# Altium PCB CC_V1.4.PcbDoc (part 1 of 8) (continued)
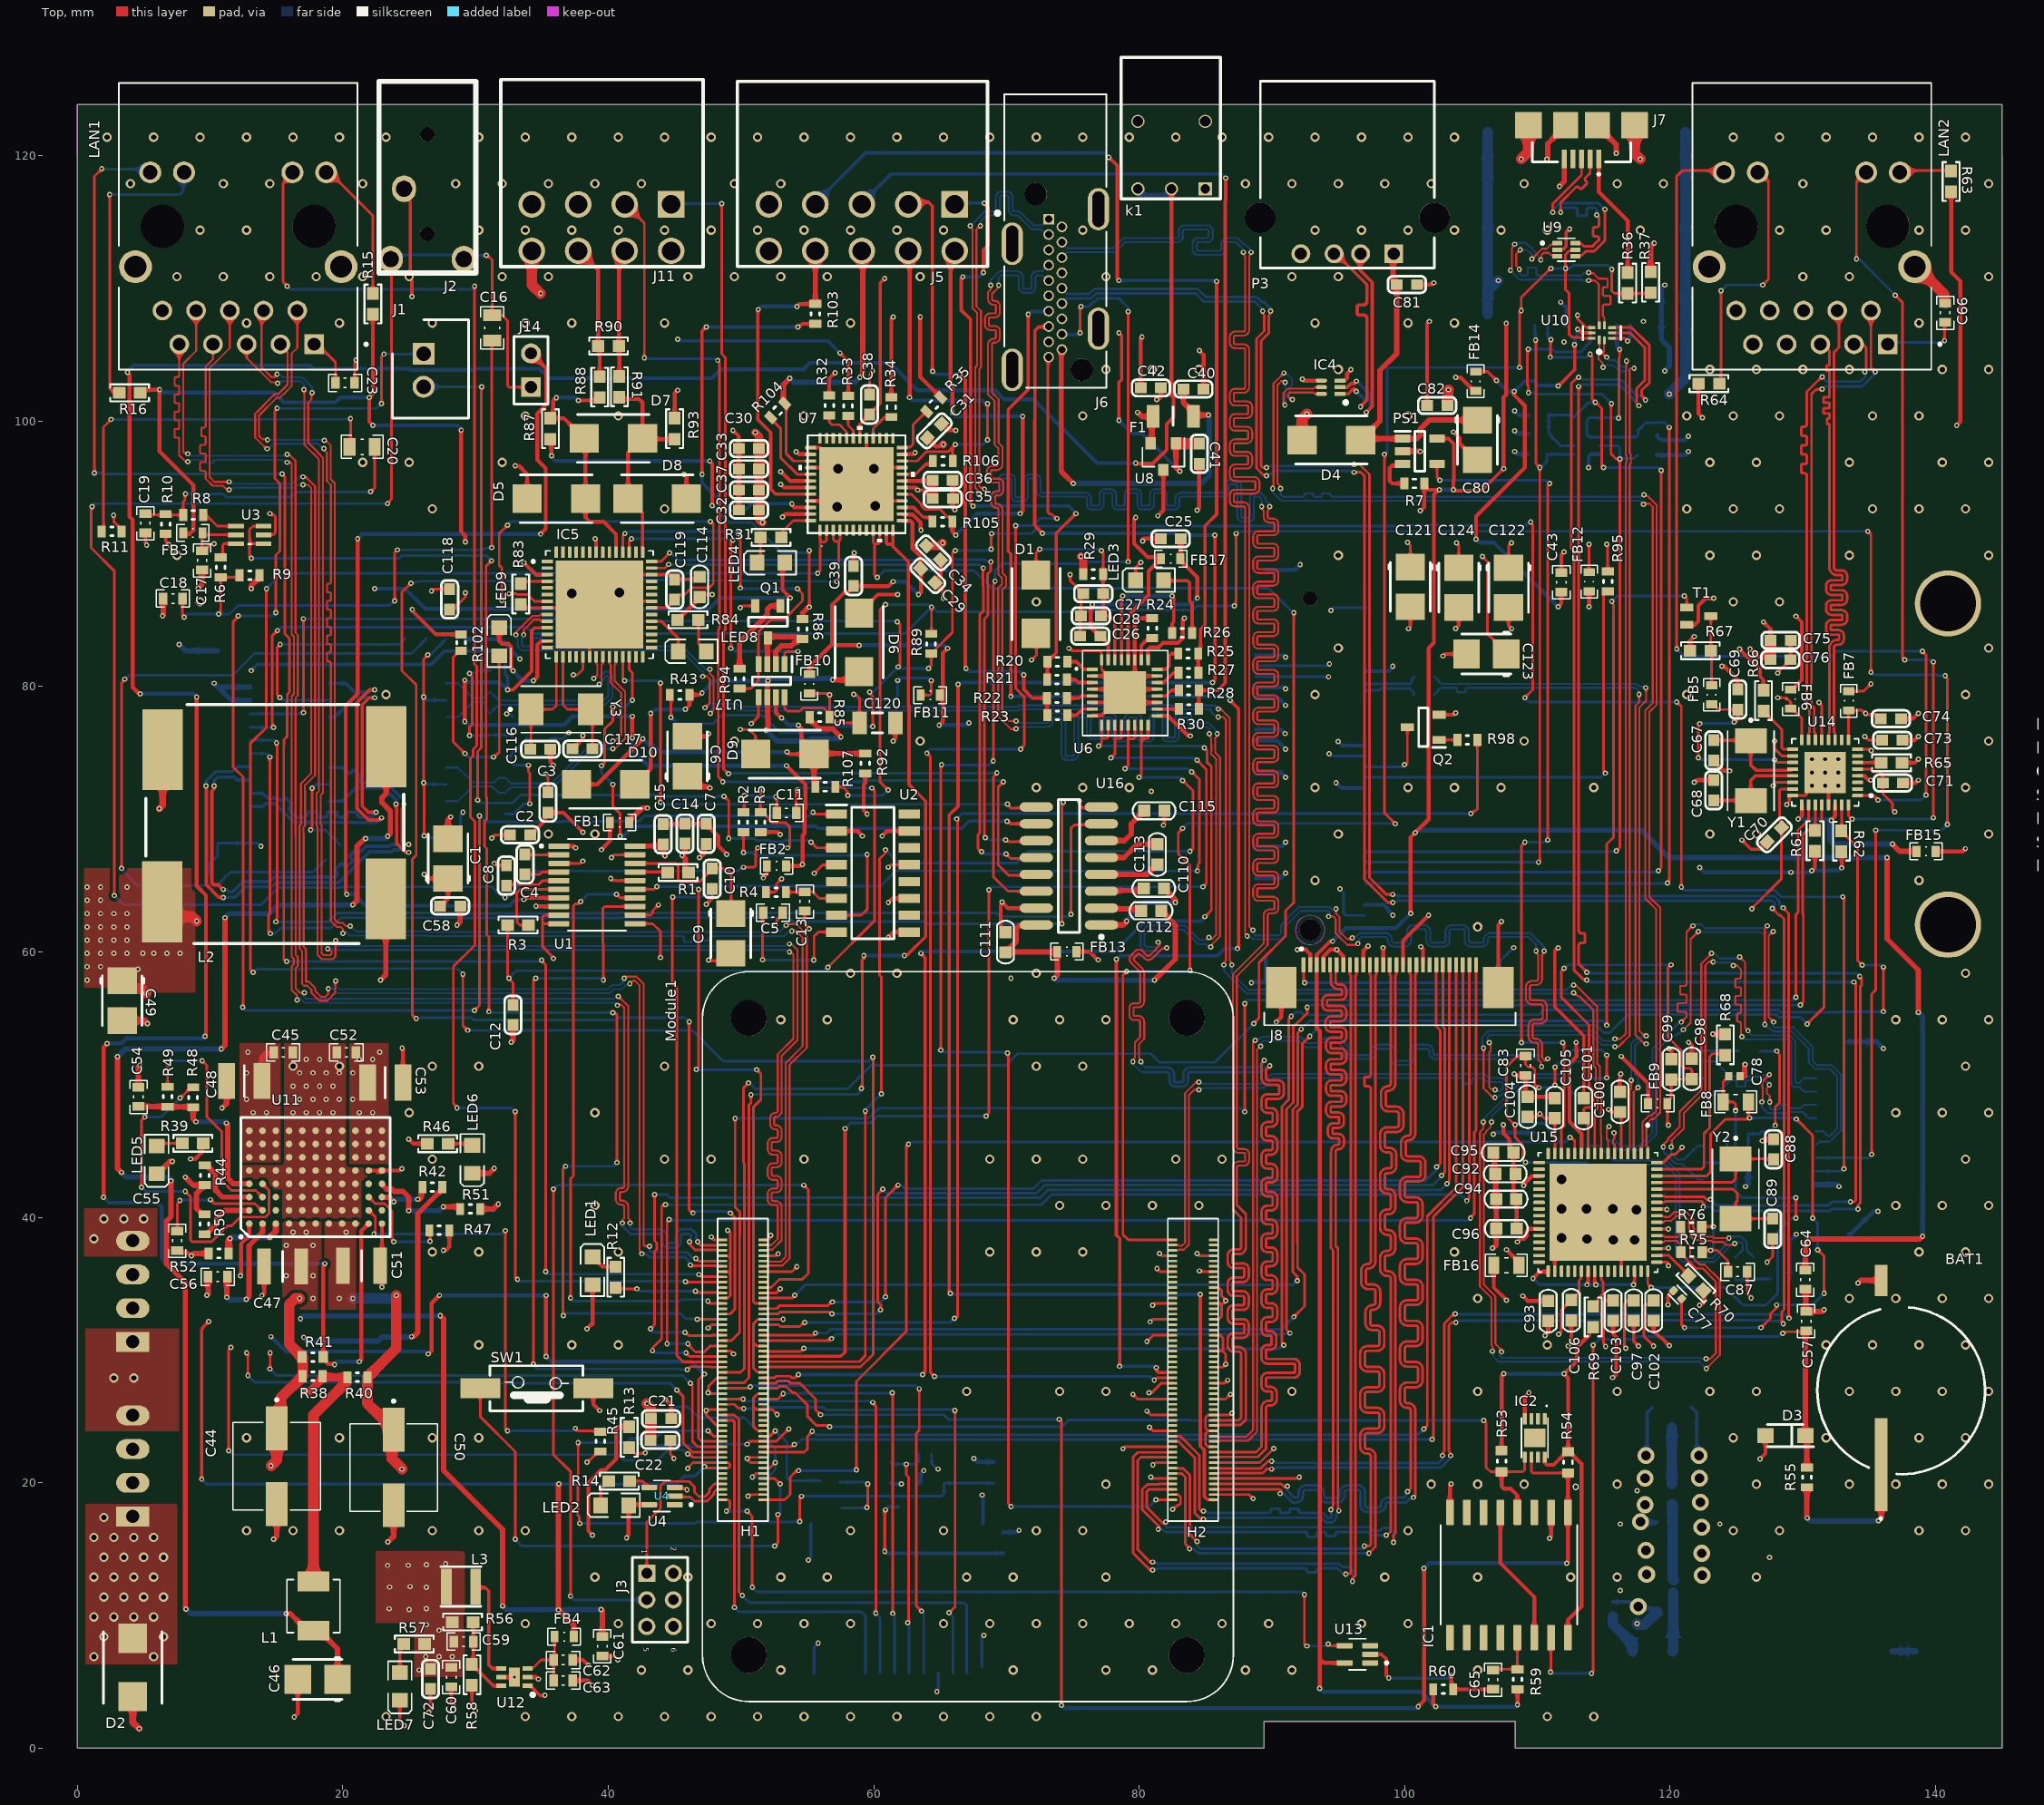
[diagram p0: Top view]
## Classes and differential pairs
differential pair class HDMI: HDMI_TX_0 HDMI_TX_1 HDMI_TX_2 HDMI_TX_C
differential pair class SPI_ETH: ETH_SPI1 ETH_SPI2
differential pair class ETH: Coil_RX_LAN1 Coil_RX_LAN2 Coil_TX_LAN1 Coil_TX_LAN2 RX_LAN1 RX_LAN2 TX_LAN1 TX_LAN2
component class 4G: ANT1 C121 C122 C123 C124 C125 C126 C127 C128 C129 FB12 H1 H2 J12 J13 L4 L5 L6 Q2 R95 R96 R97 R98 R99 R100 R101 U18
net class USB: USB1_2_Con_N USB1_2_Con_P USB1_2_N USB1_2_P USB1_3_N USB1_3_P USB_4G_N USB_4G_P
net class ETHT: TX_LAN1_N TX_LAN1_P TX_LAN2_N TX_LAN2_P
net class ETHR: RX_LAN1_P RX_LAN2_P
net class ETH_T: Coil_TX_LAN1_N Coil_TX_LAN1_P Coil_TX_LAN2_N Coil_TX_LAN2_P
net class ETH_R: Coil_RX_LAN1_N Coil_RX_LAN1_P Coil_RX_LAN2_N Coil_RX_LAN2_P
net class MIPI: MIPI_CLK_N MIPI_CLK_P MIPI_TD0_N MIPI_TD0_P MIPI_TD1_N MIPI_TD1_P MIPI_TD2_N MIPI_TD2_P
component class DIO: C25 C26 C27 C28 C29 C30 C31 C32 C33 C34 C35 C36 C37 C38 C39 D1 FB17 J5 LED3 LED4 R20 R21 R22 R23 R24 R25 R26 R27 R28 R29 R30 R31 R32 R33 R34 R35 R103 R104 R105 R106 U6 U7
component class Audio: C1 C2 C3 C4 C5 C6 C7 C8 C9 C10 C11 C12 C13 C14 C15 C16 C17 C18 C19 C20 FB1 FB2 FB3 J1 J14 R1 R2 R3 R4 R5 R6 R8 R9 R10 R11 U1 U2 U3
component class USB_To_Ethernet: C77 C78 C80 C81 C82 C83 C84 C85 C86 C87 C88 C89 C90 C91 C92 C93 C94 C95 C96 C97 C98 C99 C100 C101 C102 C103 C104 C105 C106 C107 C108 C109 C110 C111 C112 C113 C114 C115 C116 C117 C118 C119 C120 D4 D5 D6 D7 D8 D9 D10 FB8 FB9 FB10 FB11 FB13 FB16 IC4 IC5 IC6 J9 J10 J11 LED8 LED9 P3 PS1 Q1 R7 R43 R68 R69 R70 R71 R72 R73 R74 R75 R76 R77 R78 R79 R80 R81 R82 R83 R84 R85 R86 R87 R88 R89 R90 R91 R92 R93 R94 R102 R107 T2 T3 U15 U16 U17 Y2 Y3
component class SPI_To_Ethernet: 1 C66 C67 C68 C69 C70 C71 C72 C73 C74 C75 C76 FB5 FB6 FB7 FB15 LAN2 R61 R62 R63 R64 R65 R66 R67 RU? T1 U14 Y1
component class Power_Supply: BAT1 C44 C45 C46 C47 C48 C49 C50 C51 C52 C53 C54 C55 C56 C57 C58 C59 C60 C61 C62 C63 C64 C65 C? D2 D3 D? FB4 IC1 IC2 IC? k1 L1 L2 L3 L? LED5 LED6 LED7 LED? P1 P2 R38 R39 R40 R41 R42 R44 R45 R46 R47 R48 R49 R50 R51 R52 R53 R54 R55 R56 R57 R58 R59 R60 R? U11 U12 U13
component class HDMI_MicroUSB: C40 C41 C42 C43 F1 FB14 J6 J7 R36 R37 U8 U9 U10
component class LCD: D? J8
component class CoreBoard: C21 C22 C23 C24 J3 LAN1 LED1 LED2 Module1 Module? R12 R13 R14 R15 R16 R17 R18 R19 SW1 U4 U5
differential pair ETH_SPI2: +ETH_SPI2_P -ETH_SPI2_N
differential pair ETH_SPI1: +ETH_SPI1_P -ETH_SPI1_N
differential pair Micro_USB_C: +MicroUSB_C_P -MicroUSB_C_N
differential pair USB_4G: +USB_4G_P -USB_4G_N
differential pair USB1_2_Con: +USB1_2_Con_P -USB1_2_Con_N
differential pair Coil_RX_LAN2: +Coil_RX_LAN2_P -Coil_RX_LAN2_N
differential pair Coil_TX_LAN2: +Coil_TX_LAN2_P -Coil_TX_LAN2_N
differential pair Coil_TX_LAN1: +Coil_TX_LAN1_P -Coil_TX_LAN1_N
differential pair Coil_RX_LAN1: +Coil_RX_LAN1_P -Coil_RX_LAN1_N
differential pair USBC: +USBC_P -USBC_N
differential pair USB1_4: +USB1_4_P -USB1_4_N
differential pair USB1_3: +USB1_3_P -USB1_3_N
differential pair USB1_2: +USB1_2_P -USB1_2_N
differential pair TX_LAN2: +TX_LAN2_P -TX_LAN2_N
differential pair TX_LAN1: +TX_LAN1_P -TX_LAN1_N
differential pair RX_LAN2: +RX_LAN2_P -RX_LAN2_N
differential pair RX_LAN1: +RX_LAN1_P -RX_LAN1_N
differential pair ETH1_D4: +ETH1_D4_P -ETH1_D4_N
differential pair ETH1_D3: +ETH1_D3_P -ETH1_D3_N
differential pair ETH1_D2: +ETH1_D2_P -ETH1_D2_N
differential pair ETH1_D1: +ETH1_D1_P -ETH1_D1_N
differential pair USB_CM: +USB_CM_P -USB_CM_N
differential pair USB0: +USB0_P -USB0_N
differential pair MicroUSB: +MicroUSB_P -MicroUSB_N
differential pair HDMI_TX_C: +HDMI_TX_C_P -HDMI_TX_C_N
differential pair HDMI_TX_2: +HDMI_TX_2_P -HDMI_TX_2_N
differential pair HDMI_TX_1: +HDMI_TX_1_P -HDMI_TX_1_N
differential pair HDMI_TX_0: +HDMI_TX_0_P -HDMI_TX_0_N
differential pair MIPI_TD3: +MIPI_TD3_P -MIPI_TD3_N
differential pair MIPI_TD2: +MIPI_TD2_P -MIPI_TD2_N
differential pair MIPI_TD1: +MIPI_TD1_P -MIPI_TD1_N
differential pair MIPI_TD0: +MIPI_TD0_P -MIPI_TD0_N
differential pair MIPI_CLK: +MIPI_CLK_P -MIPI_CLK_N

## Components (designator, comment, footprint, x,y, rotation, side; value= is the part's Value field where it differs from the comment)
ANT1 "4G Antenna" SR4L034-R 143.475,7.3 r0 bottom
BAT1 "RTC Battery" ML-1220F1AN 135.9,26.85 r90 top
C1 "Cap_Tantal" "TANTAL (SIZE B)" 27.925,67.032 r90 top value=10uF
C2 "Ceramic Capacitor SMD" "0603 Capacitor" 33.35,68.825 r0 top value=100nF
C3 "Ceramic Capacitor SMD" "0603 Capacitor" 35.45,71.25 r270 top value=100nF
C4 "Ceramic Capacitor SMD" "0603 Capacitor" 33.725,66.6 r270 top value=2.2uF
C5 "Cap" "CAP (0603)" 52.4,62.95 r0 top value=100nF
C6 "Cap_Tantal" "TANTAL (SIZE B)" 45.962,74.74 r90 top value=10uF
C7 "Ceramic Capacitor SMD" "0603 Capacitor" 47.375,68.9 r270 top value=0.1uF
C8 "Ceramic Capacitor SMD" "0603 Capacitor" 32.325,65.75 r90 top value=2.2uF
C9 "Cap_Tantal" "TANTAL (SIZE B)" 49.236,61.39 r270 top value=10uF
C10 "Ceramic Capacitor SMD" "0603 Capacitor" 47.825,65.512 r90 top value=0.1uF
C11 "Cap" "CAP (0603)" 53.425,70.475 r0 top value=1uF
C12 "Ceramic Capacitor SMD" "0603 Capacitor" 32.815,55.25 r90 top value=2.2nF
C13 "Cap" "CAP (0603)" 54.8,63.8 r90 top value=1uF
C14 "Capacitor SMD" "0603 Capacitor" 45.775,68.912 r90 top value=0.68uF
C15 "Capacitor SMD" "0603 Capacitor" 44.125,68.862 r90 top value=0.68uF
C16 "Cap" "CAP (0805)" 31.247,107.02 r270 top value=47uF
C17 "Cap" "CAP (0603)" 9.4,89.5 r270 top value=100nF
C18 "Cap" "CAP (0603)" 7.2,86.625 r180 top value=100nF
C19 "Cap" "CAP (0603)" 5.125,92.3 r270 top value=100nF
C20 "Cap" "CAP (0805)" 21.45,98.058 r0 top value=47uF
C21 "Capacitor SMD" "0603 Capacitor" 43.975,24.825 r0 top value=0.68uF
C22 "Capacitor SMD" "0603 Capacitor" 43.925,23.2 r0 top value=0.68uF
C23 "Cap" "CAP (0603)" 20.168,102.88 r180 top value=220nF
C24 "Capacitor SMD" "0603 Capacitor" 61.275,20.762 r270 bottom value=10uF
C25 "Ceramic Capacitor SMD" "0603 Capacitor" 82.372,91.136 r0 top value=0.1uF
C26 "Ceramic Capacitor SMD" "0603 Capacitor" 76.309,83.797 r0 top value=1uF
C27 "Ceramic Capacitor SMD" "0603 Capacitor" 76.537,86.998 r0 top value=0.1uF
C28 "Ceramic Capacitor SMD" "0603 Capacitor" 76.359,85.321 r0 top value=1uF
C29 "Ceramic Capacitor SMD" "0603 Capacitor" 64.072,88.353 r135 top value=100nF
C30 "Ceramic Capacitor SMD" "0603 Capacitor" 50.599,97.926 r0 top value=100nF
C31 "Ceramic Capacitor SMD" "0603 Capacitor" 64.564,99.265 r225 top value=100nF
C32 "Ceramic Capacitor SMD" "0603 Capacitor" 50.599,93.303 r0 top value=100nF
C33 "Ceramic Capacitor SMD" "0603 Capacitor" 50.599,96.4 r0 top value=100nF
C34 "Ceramic Capacitor SMD" "0603 Capacitor" 64.498,90.075 r135 top value=100nF
C35 "Ceramic Capacitor SMD" "0603 Capacitor" 65.2,94.152 r180 top value=100nF
C36 "Ceramic Capacitor SMD" "0603 Capacitor" 65.187,95.541 r180 top value=100nF
C37 "Ceramic Capacitor SMD" "0603 Capacitor" 50.599,94.804 r0 top value=100nF
C38 "Ceramic Capacitor SMD" "0603 Capacitor" 59.675,101.25 r270 top value=1uF
C39 "Ceramic Capacitor SMD" "0603 Capacitor" 58.475,88.325 r270 top value=10uF
C40 "Capacitor SMD" "0603 Capacitor" 84.079,102.415 r0 top value=100pF
C41 "Capacitor SMD" "0603 Capacitor" 84.525,97.535 r270 top value=100nF
C42 "Capacitor SMD" "0603 Capacitor" 80.877,102.502 r180 top value=100nF
C43 "Cap" "CAP (0603)" 111.8,87.85 r270 top value=100nF
C44 "63CE22BS" 63CE22BS 15.025,21.25 r270 top value=22uF
C45 "Cap" "CAP (0603)" 15.508,52.425 r0 top value=NC
C46 "Cap_Tantal" "TANTAL (SIZE B)" 18.102,5.185 r180 top value=2.2uF
C47 "C1210C475K5RACTU" CAPC3225X280N 15.475,36.3 r0 top value=4.7uF
C48 "GRM32ER61A107ME20L" CAPC3225X270N 12.575,50.275 r0 top value=100uF
C49 "Cap_Tantal" "TANTAL (SIZE B)" 3.381,56.325 r270 top value=2.2uF
C50 "63CE22BS" 63CE22BS 23.825,21.15 r270 top value=22uF
C51 "C1210C475K5RACTU" CAPC3225X280N 21.4,36.35 r180 top value=4.7uF
C52 "Cap" "CAP (0603)" 20.267,52.425 r180 top value=NC
C53 "GRM32ER61A107ME20L" CAPC3225X270N 23.2,50.15 r180 top value=100uF
C54 "Cap" "CAP (0603)" 4.6,49.075 r270 top value=NC
C55 "Cap" "CAP (0603)" 7.518,38.234 r90 top value=100nF
C56 "Cap" "CAP (0603)" 10.575,35.525 r0 top value=100nF
C57 "Cap" "CAP (0603)" 130.25,32.175 r90 top value=100nF
C58 "Capacitor SMD" "0603 Capacitor" 28.085,63.46 r180 top value=0.68uF
C59 "Cap" "CAP (0603)" 29.1,8.025 r0 top value=100pF
C60 "Cap" "CAP (0603)" 28.175,5.35 r270 top value=100pF
C61 "Cap" "CAP (0603)" 39.55,7.675 r270 top value=100pF
C62 "Cap" "CAP (0603)" 36.6,6.65 r0 top value=100pF
C63 "Cap" "CAP (0603)" 36.6,5.1 r0 top value=100pF
C64 "Cap" "CAP (0603)" 130.175,35.3 r270 top value=100nF
C65 "Cap" "CAP (0603)" 106.655,5.16 r90 top value=100nF
C66 "Cap" "CAP (0603)" 140.712,108.16 r270 top value=220nF
C67 "Capacitor SMD" "0603 Capacitor" 123.275,75.187 r270 top value=22pF
C68 "Capacitor SMD" "0603 Capacitor" 123.275,72.175 r90 top value=22pF
C69 "Capacitor SMD" "0603 Capacitor" 125.1,79.025 r90 top value=0.68uF
C70 "Capacitor SMD" "0603 Capacitor" 127.85,68.825 r225 top value=0.68uF
C71 "Capacitor SMD" "0603 Capacitor" 136.775,72.725 r0 top value=0.68uF
C72 "Capacitor SMD" "0603 Capacitor" 26.6,5.212 r90 top value=0.68uF
C73 "Capacitor SMD" "0603 Capacitor" 136.737,75.95 r0 top value=0.68uF
C74 "Capacitor SMD" "0603 Capacitor" 136.625,77.575 r0 top value=0.68uF
C75 "Capacitor SMD" "0603 Capacitor" 128.325,83.475 r180 top value=0.68uF
C76 "Capacitor SMD" "0603 Capacitor" 128.3,82.025 r180 top value=0.68uF
C77 "CC0402KRX6S5BB105" CAPC1005X55N 120.56,34.175 r135 top
C78 "GRM152R61A104KE19D" CAPC1005X22N 124.835,50.625 r180 top
C80 "Cap_Tantal" "TANTAL (SIZE B)" 105.475,98.575 r270 top value=120uF
C81 "Capacitor SMD" "0603 Capacitor" 100.166,110.288 r0 top value=0.1uF
C82 "Capacitor SMD" "0603 Capacitor" 102.445,101.177 r0 top value=1uF
C83 "10nF" "CAP (0603)" 109.1,51.425 r90 top
C84 "10nF" "CAP (0603)" 110.425,46.375 r0 bottom
C85 "1nF" "CAP (0603)" 125.875,44.1 r90 bottom
C86 "100nF" "CAP (0603)" 128.262,35.342 r180 bottom
C87 "100nF" "CAP (0603)" 125.075,35.9 r180 top
C88 "Capacitor SMD" "0603 Capacitor" 127.785,45.125 r90 top value=22pF
C89 "Capacitor SMD" "0603 Capacitor" 127.725,39.125 r270 top value=22pF
C90 "10nF" "CAP (0603)" 28.129,68.6 r180 bottom
C91 "10nF" "CAP (0603)" 28.479,83.55 r180 bottom
C92 "" C0603 107.585,43.275 r0 top value=2.2nf
C93 "" C0603 110.81,32.95 r90 top value=2.2nf
C94 "" C0603 107.647,41.375 r0 top value=2.2nf
C95 "" C0603 107.435,44.875 r0 top value=2.2nf
C96 "" C0603 107.66,39.15 r0 top value=2.2nf
C97 "" C0603 117.25,32.975 r90 top value=2.2nf
C98 "" C0603 121.625,51.175 r270 top value=2.2nf
C99 "" C0603 120.075,51.15 r270 top value=2.2nf
C100 "" C0603 116.225,48.7 r270 top value=2.2nf
C101 "" C0603 113.491,48.225 r270 top value=2.2nf
C102 "" C0603 118.75,32.975 r90 top value=2.2nf
C103 "" C0603 115.7,32.975 r90 top value=2.2nf
C104 "" C0603 109.26,48.325 r270 top value=2.2nf
C105 "" C0603 111.31,48.225 r270 top value=2.2nf
C106 "" C0603 112.55,33 r90 top value=2.2nf
C107 "1nF" "CAP (0603)" 10.704,65.875 r0 bottom
C108 "100nF" "CAP (0603)" 32.8,77 r270 bottom
C109 "100nF" "CAP (0603)" 34.904,76.05 r180 bottom
C110 "1uF" C0603 81.105,64.78 r0 top value=2.2nf
C111 "100nF" C0603 69.925,60.728 r270 top value=2.2nf
C112 "1uF" C0603 80.898,63.1 r0 top value=2.2nf
C113 "1uF" C0603 81.363,67.35 r90 top value=2.2nf
C114 "0.1uF" C0603 46.875,87.5 r270 top value=2.2nf
C115 "" C0603 81.135,70.632 r0 top value=1uF
C116 "Capacitor SMD" "0603 Capacitor" 34.875,75.275 r0 top value=22pF
C117 "Capacitor SMD" "0603 Capacitor" 38.05,75.3 r180 top value=22pF
C118 "Capacitor SMD" "0603 Capacitor" 28.05,86.575 r90 top value=4.7uF
C119 "Capacitor SMD" "0603 Capacitor" 45,87.3 r90 top value=4.7uF
C120 "Cap Semi" C1206 60.275,77.25 r0 top value=100pF
C121 "Cap_Tantal" "TANTAL (SIZE B)" 100.425,87.5 r270 top value=100uF
C122 "Cap_Tantal" "TANTAL (SIZE B)" 107.825,87.45 r270 top value=100uF
C123 "Cap_Tantal" "TANTAL (SIZE B)" 106.15,82.45 r180 top value=100uF
C124 "Cap_Tantal" "TANTAL (SIZE B)" 104.075,87.45 r270 top value=100uF
C125 "Cap" "CAP (0603)" 118.3,98.95 r180 bottom value=100nF
C126 "Cap" "CAP (0603)" 109.975,97.5 r0 bottom value=30pF
C127 "Cap" "CAP (0603)" 118.275,97.425 r180 bottom value=30pF
C128 "Cap" "CAP (0603)" 110,99.05 r0 bottom value=30pF
C129 "GJM15" GJM15 120.275,12.2 r270 bottom value=1.8pF
D1 "TVS 8V" "DIOM5436X244N (SMB)" 72.225,86.2 r90 top
D2 "TPSMB30CA" DIONM5444X261N 4.175,6.075 r270 top
D3 "Schottky Diode" "SODFL3616X98N (SOD-123FL)" 128.675,23.55 r180 top
D4 "TVS 8V" "DIOM5436X244N (SMB)" 94.475,98.575 r180 top
D5 "TVS 8V" "DIOM5436X244N (SMB)" 36.085,94.152 r180 top
D6 "TVS 8V" "DIOM5436X244N (SMB)" 58.9,83.325 r90 top
D7 "TVS 8V" "DIOM5436X244N (SMB)" 40.385,98.698 r180 top
D8 "TVS 8V" "DIOM5436X244N (SMB)" 43.685,94.152 r0 top
D9 "TVS 8V" "DIOM5436X244N (SMB)" 53.3,74.9 r180 top
D10 "TVS 8V" "DIOM5436X244N (SMB)" 39.8,72.625 r0 top
F1 "Fuse" "FUSE (3413.0120.22)" 82.555,100.365 r180 top
FB1 "Ferrite Bead" FB0603 40.85,69.75 r0 top value=1K@100MHz
FB2 "Ferrite Bead" FB0603 52.675,66.475 r0 top value=1K@100MHz
FB3 "Ferrite Bead" FB0603 8.7,91.575 r180 top
FB4 "Ferrite Bead" FB0603 36.675,8.4 r180 top value=1K@100MHz
FB5 "Ferrite Bead" FB0603 123.125,79.375 r270 top value=1K@100MHz
FB6 "Ferrite Bead" FB0603 129.075,79.05 r270 top value=1K@100MHz
FB7 "Ferrite Bead" FB0603 133.45,78.925 r270 top value=1K@100MHz
FB8 "Ferrite Bead" FB0805 124.935,48.7 r180 top value=1K@100MHz
FB9 "Ferrite Bead" FB0603 119.06,48.575 r0 top value=1K@100MHz
FB10 "Ferrite Bead" FB0603 55.143,80.2 r90 top value=1K@100MHz
FB11 "Ferrite Bead" FB0603 64.25,79.35 r0 top value=1K@100MHz
FB12 "Ferrite Bead" FB0603 113.9,87.9 r270 top value=1K@100MHz
FB13 "Ferrite Bead" FB0603 74.548,60.025 r0 top value=1K@100MHz
FB14 "Ferrite Bead" FB0603 105.345,103 r270 top value=1K@100MHz
FB15 "Ferrite Bead" FB0603 139.275,67.575 r180 top value=1K@100MHz
FB16 "Ferrite Bead" FB0805 107.658,36.381 r180 top value=1K@100MHz
FB17 "Ferrite Bead" FB0603 82.372,89.627 r180 top value=1K@100MHz
IC1 "PCF2129T_2,518" SOIC127P1032X265-16N 107.85,13.05 r270 top
IC2 "ATECC508A-MAHCZ-S" DFN200X300X60-9N 109.793,23.38 r270 top
IC4 "ECMF02-2AMX6" SON50P150X170X55-6N-D 94.425,102.55 r180 top
IC5 "XR22804IL56-F" QFN50P800X800X90-57N 39.335,86.175 r0 top
J1 "XH Connector" B2B-XH-A 26.083,105.085 r270 top
J2 "Comment" PCBComponent_1#1 29.112,112.203 r270 top
J3 "Pin Header pitch 2.00 mm, 6 pin" BF050-06-A-B-0400-0300-N-G 43.9,11.175 r270 top
J4 "Comment" MOLEX_503398-1892 61.75,11.275 r0 bottom
J5 "1953745" 1953745 59.1,114.579 r270 top
J6 "2007435-2" TE_2007435-2 73.677,114.061 r180 top
J7 "USB3085-XX-X_revD" USB3085-XX-X_revD 113.32,122.298 r180 top locked
J8 "2-1734592-7" TE_2-1734592-7 98.875,59.025 r0 top
J9 "FFC3B11-10-T" PCBComponent_1#2 134.25,45.725 r0 bottom
J10 "FFC3B11-10-T" PCBComponent_1#2 9.751,75.7 r180 bottom
J11 "1953732" 1953732 39.485,114.579 r270 top
J12 "Mini PCIe" "MINI PCIE" 119.05,74.15 r90 bottom
J13 "U.FL" UFLRSMT10 120.125,25.675 r180 bottom
J14 "AudioSelect" HDR1X2 34.175,102.561 r90 top
k1 "GW12RCH" PCBComponent_1#3 82.77,120.325 r0 top
L1 "220nH" WE-LHMI_402048 17.784,10.705 r90 top
L2 "C" "PCBComponent_1 - duplicate" 23.266,75.459 r270 top
L3 "Inductor" NR3015T2R2M 28.9,12.175 r180 top value=2.2uH
L4 "LQG15HS6N8J02D" LQG15HN 115.675,10.475 r270 bottom value=6.8nH
L5 "LQG15HS39NJ02D" LQG15HN 119.675,10.375 r0 bottom value=39nH
L6 "LQG15HS22NJ02D" LQG15HN 119.575,17.05 r0 bottom value=22nH
LAN1 "SI-61001-F" BEL_SI-61001-F 12.123,114.678 r180 top locked
LAN2 "SI-61001-F" BEL_SI-61001-F 130.677,114.678 r180 top locked
LED1 "150080GS75000" LED_0805_Green 38.811,35.966 r90 top
LED2 "150080GS75000" LED_0805_Green 40.475,18.3 r180 top
LED3 "Fault LED" LED_0805_Green 80.779,88.014 r180 top
LED4 "Fault LED" LED_0805_Green 52.253,89.324 r180 top
LED5 "150080GS75000" LED_0805_Green 5.975,44.325 r270 top
LED6 "150080GS75000" LED_0805_Green 29.75,44.375 r270 top
LED7 "150080GS75000" LED_0805_Green 24.3,4.65 r270 top
LED8 "150080GS75000" LED_0805_Green 46.325,82.65 r180 top
LED9 "150080GS75000" LED_0805_Green 31.782,83.372 r90 top
Module1 "ComputeModule4" Raspberry-Pi-4-Compute-Module 50.591,7.01 r0 top
P1 "Power connector" XH_4Pin 4.175,30.614 r90 bottom
P2 "Power connector" XH_4Pin 4.175,17.458 r90 bottom
P3 "USB-A1HSW6" OST_USB-A1HSW6 95.675,119.12 r180 top
PS1 "AP22804AW5-7" SOT95P285X140-5N 101.135,97.728 r0 top
Q1 "MMBT8050" "SOT95P237X111-3N (SOT23)" 52.025,84.872 r270 top
Q2 "MMBT8050" "SOT95P237X111-3N (SOT23)" 101.4,76.925 r180 top
R1 "Res" R0603 45.262,65.975 r180 top value=10K
R2 "Res" "RES (0603)"#1 50.175,70.525 r270 top value=10K
R3 "Res" R0603 33.2,62.025 r180 top value=470
R4 "Res" "RES (0603)"#1 53.375,64.5 r180 top value=10R
R5 "Res" "RES (0603)"#1 51.475,70.525 r270 top value=1.8K
R6 "Res" "RES (0603)"#1 10.8,89.725 r270 top value=220R
R7 "Res" "RES (0603)"#1 101.475,95.3 r180 top value=10K
R8 "Res" "RES (0603)"#1 9.475,92.925 r180 top value=220R
R9 "Res" "RES (0603)"#1 13.725,88.375 r180 top value=100R
R10 "Res" "RES (0603)"#1 6.65,91.5 r90 top value=100R
R11 "Res" "RES (0603)"#1 3.335,91.682 r180 top value=1.8K
R12 "Res" R0603 40.564,35.484 r270 top value=10K
R13 "Res" R0603 41.575,23.425 r90 top value=0
R14 "Res" R0603 40.825,20.125 r0 top value=10K
R15 "470R" R0603 22.263,108.83 r90 top value=470
R16 "470R" R0603 3.94,102.125 r180 top value=470
R17 "Res" R0603 69.75,15.475 r90 bottom value=1K
R18 "Res" R0603 56.75,20.15 r180 bottom value=1K
R19 "Res" R0603 69.05,20.775 r90 bottom value=12K
R20 "Res" "RES (0603)"#1 73.083,81.867 r0 top value=1K
R21 "Res" "RES (0603)"#1 73.058,80.521 r0 top value=1K
R22 "Res" "RES (0603)"#1 73.056,79.124 r0 top value=1K
R23 "Res" "RES (0603)"#1 73.083,77.828 r0 top value=1K
R24 "Res" "RES (0603)"#1 80.982,83.645 r90 top value=5.2K
R25 "Res" "RES (0603)"#1 82.938,82.477 r0 top value=1K
R26 "Res" "RES (0603)"#1 83.981,84.026 r180 top value=10K
R27 "Res" "RES (0603)"#1 82.962,81.029 r0 top value=1K
R28 "Res" "RES (0603)"#1 82.988,79.708 r0 top value=1K
R29 "Res" "RES (0603)"#1 77.275,88.471 r180 top value=150R
R30 "Res" "RES (0603)"#1 82.989,78.311 r0 top value=1K
R31 "Res" R0603 52.253,91.229 r0 top value=10K
R32 "Res" "RES (0603)"#1 56.65,100.425 r90 top value=56K
R33 "Res" "RES (0603)"#1 58.075,100.4 r90 top value=10K
R34 "Res" "RES (0603)"#1 61.325,100.3 r90 top value=10K
R35 "Res" "RES (0603)"#1 65.05,101.775 r225 top value=10K
R36 "2k2" R0603 116.8,110.4 r90 top value=470
R37 "2k2" R0603 118.525,110.455 r90 top value=470
R38 "Res" "RES (0603)"#1 18.475,28.025 r180 top value=0R
R39 "Res" R0603 8.7,45.575 r180 top value=10K
R40 "Res" "RES (0603)"#1 20.35,27.95 r0 top value=0R
R41 "Res" "RES 0603" 17.725,29.475 r270 top value=1M
R42 "Res" "RES (0603)"#1 26,42.275 r0 top value=100K
R43 "Res" "RES (0603)"#1 46.125,79.372 r180 top value=22R
R44 "Res" "RES (0603)"#1 9.6,42.425 r90 top value=45.3K
R45 "Res" "RES (0603)"#1 39.4,23.85 r270 top value=10K
R46 "Res" R0603 27.15,45.55 r0 top value=10K
R47 "Res" "RES (0603)"#1 26.525,39.025 r0 top value=100K
R48 "Res" "RES (0603)"#1 8.725,48.3 r90 top value=0R
R49 "Res" "RES (0603)"#1 6.8,49.825 r270 top value=NC
R50 "Res" "RES (0603)"#1 9.575,40.225 r270 top value=78.7K
R51 "Res" "RES (0603)"#1 30.35,40.625 r180 top value=0R
R52 "Res" "RES (0603)"#1 11.4,37.275 r180 top value=29.4K
R53 "Res" "RES 0603" 107.293,21.625 r0 top value=2K2
R54 "Res" "RES 0603" 112.31,21.537 r0 top value=2K2
R55 "Res" "RES (0603)"#1 130.3,21.15 r270 top value=75R
R56 "Res" R0603 29.025,9.5 r180 top value=1K
R57 "Res" R0603 25.375,7.85 r180 top value=10K
R58 "Res" R0603 29.725,5.525 r90 top value=1K
R59 "Res" "RES (0603)"#1 108.5,5.935 r270 top value=510K
R60 "Res" "RES (0603)"#1 103.65,4.435 r180 top value=510K
R61 "Res" R0603 130.9,68.375 r270 top value=4.7K
R62 "Res" R0603 132.9,68.338 r270 top value=4.7K
R63 "470R" R0603 141.163,118.057 r90 top value=470
R64 "470R" R0603 122.922,102.825 r0 top value=470
R65 "Res" R0603 136.675,74.25 r180 top value=4.7K
R66 "Res" R0603 127.025,78.937 r270 top value=3.01K
R67 "Res" R0603 122.275,82.7 r180 top value=4.7K
R68 "Res" R0603 124.15,53 r90 top value=1K
R69 "Res" R0603 114.198,32.5 r270 top value=1K
R70 "Res" R0603 121.942,35.045 r135 top value=1K
R71 "51R" "RES 0603" 125.075,46.3 r90 bottom
R72 "51R" "RES 0603" 125.975,52.55 r90 bottom
R73 "51R" "RES 0603" 124.907,36.185 r0 bottom value=51r
R74 "51R" "RES 0603" 126.325,36.157 r0 bottom value=51r
R75 "51R" "RES 0603" 121.61,37.375 r270 top value=51r
R76 "51R" "RES 0603" 121.585,39.275 r270 top value=51r
R77 "51R" "RES 0603" 25.479,83.6 r90 bottom
R78 "51R" "RES 0603" 19.246,67.5 r315 bottom
R79 "51R" "RES 0603" 31.1,80.4 r180 bottom value=51r
R80 "51R" "RES 0603" 31.072,77.15 r0 bottom value=51r
R81 "51R" "RES 0603" 32.25,73.9 r180 bottom value=51r
R82 "51R" "RES 0603" 32.25,71.2 r0 bottom value=51r
R83 "Res" R0603 33.4,86.963 r270 top value=226R
R84 "Res" R0603 46,85.025 r0 top value=10K
R85 "Res" "RES (0603)"#1 56.67,77.678 r180 top value=2.2K
R86 "Res" "RES (0603)"#1 54.635,85.073 r270 top value=1K
R87 "Res" R0603 35.637,99.426 r270 top value=2.2K
R88 "Res" R0603 39.355,102.561 r270 top value=22R
R89 "Res" "RES (0603)"#1 64.325,82.475 r90 top value=120R
R90 "Res" R0603 40.017,105.665 r180 top value=120R
R91 "Res" R0603 40.835,102.585 r270 top value=22R
R92 "Res" "RES (0603)"#1 59.36,74.95 r270 top value=2.2K
R93 "Res" R0603 45,99.426 r270 top value=2.2K
R94 "Res" "RES (0603)"#1 49.89,79.845 r90 top value=1K
R95 "Res" "RES (0603)"#1 115.3,87.175 r90 top value=10K
R96 "Res" "RES (0603)"#1 100.7,79.375 r0 bottom value=22R
R97 "Res" "RES (0603)"#1 100.725,80.725 r0 bottom value=22R
R98 "Res" "RES (0603)"#1 103.975,75.975 r0 top value=10K
R99 "Res" "RES (0603)"#1 112.8,100.25 r0 bottom value=10K
R100 "Res" "RES (0603)"#1 109.3,100.45 r0 bottom value="10K / NC"
R101 "Res" "RES (0603)"#1 120.125,19.9 r270 bottom value=0R
R102 "Res" "RES (0603)"#2 28.915,83.925 r270 top value=10K
R103 "Res" "RES (0603)"#1 55.6,107.327 r90 top value=0R
R104 "Res" "RES (0603)"#1 52.234,100.272 r45 top value=0R
R105 "Res" "RES (0603)"#1 65.92,92.425 r180 top value=0R
R106 "Res" "RES (0603)"#1 65.949,96.993 r180 top value=0R
R107 "Res" "RES (0603)"#1 55.6,72.44 r0 top value=22R
SIM1 "Micro SIM Connector" "Micro SIM Connector (5039600695)" 121.755,123.787 r180 bottom
SW1 "" "Key_Tak Switch - Push to On" 38.085,29.32 r180 top
T1 "BCR133W" SOT323-BEC 122.15,85.3 r270 top
T2 "Ethernet Coil" "SOIC127P940X597-16N (SOIC16)" 118.122,47.295 r0 bottom
T3 "Ethernet Coil" "SOIC127P940X597-16N (SOIC16)" 23.4,75.8 r180 bottom
U1 "PCM5100A" SOP65P640X120-20N 39.15,65.05 r0 top
U2 "Audio Amp" "SOIC127P605X175-16N (SOIC16)" 59.937,65.935 r0 top
U3 "NC7WZ16P6X" SOT65P210X110-6N 13,91.425 r180 top
U4 "74LVC1G07SE-7" SOT65P210X110-5N 44.04,19 r180 top
U5 "RT9742GGJ5" SOT-23-5 64.35,21.075 r270 bottom
U6 "MAX22195ATJ+" 21-0140_T3255+6C_MXM 78.912,79.542 r0 top
U7 "MAX14900EAGM+TCKT" 21-100009A_K4877+1_MXM 58.701,95.243 r90 top
U8 "RT9742SNGV" SOT-23 81.815,97.32 r270 top
U9 "USBLC6-2P6" SOT50P160X60-6N 112.175,112.911 r0 top
U10 "FSUSB42UMX" ON_Semiconductor_523BC_MFG 114.85,106.643 r90 top
U11 "LTM8024" BGA88C100P8X11_900X1125X352 17.95,43.025 r90 top
U12 "RT8016GQW" "SON65P200X200X80-7N (WDFN-6L)" 32.925,5.35 r180 top
U13 "74LVC1G07SE-7" SOT65P210X110-5N 96.44,7.07 r180 top
U14 "KSZ8851SNLI-TR" QFN50P500X500X90-33N 131.675,73.525 r180 top
U15 "LAN9514-JZX" QFN50P900X900X100-65N730X730 114.56,40.375 r270 top
U16 "SP3232EEN" SOIC16_M 74.7,66.475 r180 top
U17 "RS485 Transceiver" "SOT65P280X145-8N (SOT23)" 52.3,80.425 r270 top
U18 "ESD Protection" "SOT65P210X110-6N (SC70 6L)" 113.725,98.15 r180 bottom
Y1 "ECS-250-18-23A-JGN-TR" XTAL_ECS-250-18-23A-JGN-TR 126.075,73.65 r270 top
Y2 "ECS-250-18-23A-JGN-TR" XTAL_ECS-250-18-23A-JGN-TR 124.935,42.15 r270 top
Y3 "ECS-250-18-23A-JGN-TR" XTAL_ECS-250-18-23A-JGN-TR 36.425,78.275 r0 top

## Footprints (in the part's own frame and the unit in brackets; to place one, negate y for a bottom-side part, rotate by r counter-clockwise, add the part's x,y. Pads: shape width x height; smd on the part's side, far side on the other; paste and mask are expansions set on the pad)
21-0140_T3255+6C_MXM [mil]
  rect 32x10 smd paste+0 mask+0: 1(-96.5,68.9) 2(-96.5,49.21) 3(-96.5,29.53) 4(-96.5,9.84) 5(-96.5,-9.84) 6(-96.5,-29.53) 7(-96.5,-49.21) 8(-96.5,-68.9) 17(96.5,-68.9) 18(96.5,-49.21) 19(96.5,-29.53) 20(96.5,-9.84) 21(96.5,9.84) 22(96.5,29.53) 23(96.5,49.21) 24(96.5,68.9)
  rect 10x32 smd paste+0 mask+0: 9(-68.9,-96.5) 10(-49.21,-96.5) 11(-29.53,-96.5) 12(-9.84,-96.5) 13(9.84,-96.5) 14(29.53,-96.5) 15(49.21,-96.5) 16(68.9,-96.5) 25(68.9,96.5) 26(49.21,96.5) 27(29.53,96.5) 28(9.84,96.5) 29(-9.84,96.5) 30(-29.53,96.5) 31(-49.21,96.5) 32(-68.9,96.5)
  rect 126x126 smd paste-62.5 mask+0: 33(0,0)
  body extent 0,0 10,10, height 10
21-100009A_K4877+1_MXM [mil]
  rect 32x10 smd paste+0 mask+0: 1(-136,108.27) 2(-136,88.58) 3(-136,68.9) 4(-136,49.21) 5(-136,29.53) 6(-136,9.84) 7(-136,-9.84) 8(-136,-29.53) 9(-136,-49.21) 10(-136,-68.9) 11(-136,-88.58) 12(-136,-108.27) 25(136,-108.27) 26(136,-88.58) 27(136,-68.9) 28(136,-49.21) 29(136,-29.53) 30(136,-9.84) 31(136,9.84) 32(136,29.53) 33(136,49.21) 34(136,68.9) 35(136,88.58) 36(136,108.27)
  rect 10x32 smd paste+0 mask+0: 13(-108.27,-136) 14(-88.58,-136) 15(-68.9,-136) 16(-49.21,-136) 17(-29.53,-136) 18(-9.84,-136) 19(9.84,-136) 20(29.53,-136) 21(49.21,-136) 22(68.9,-136) 23(88.58,-136) 24(108.27,-136) 37(108.27,136) 38(88.58,136) 39(68.9,136) 40(49.21,136) 41(29.53,136) 42(9.84,136) 43(-9.84,136) 44(-29.53,136) 45(-49.21,136) 46(-68.9,136) 47(-88.58,136) 48(-108.27,136)
  rect 220x220 smd paste-109.5 mask+0: 49(0,0)
  silkscreen extent -172,-172 172,172, body extent 0,0 10,10, height 10
63CE22BS [mm]
  rect 3.3x1.65 smd: 1(-2.85,0) 2(2.85,0)
  silkscreen extent -5.1,-3.3 3.3,3.3, body extent -4.34,-3.3 4.34,3.3, height 8.1
"0603 Capacitor" [mil]
  rect 35x32 smd: 1(-29.99,0.01) 2(30.01,0.01)
  silkscreen extent -56,-25 56,25, body extent -31,-16 31,16, height 12
1953732 [mm]
  rect 2x2 hole 1.4: 1(-1.75,5.25)
  round 2 hole 1.4: 2(-1.75,1.75) 3(-1.75,-1.75) 4(-1.75,-5.25) 5(1.75,-5.25) 6(1.75,-1.75) 7(1.75,1.75) 8(1.75,5.25)
  silkscreen extent -11.15,-7.58 2.95,7.66, body extent -11.02,-7.66 2.38,7.74, height 15.18
1953745 [mm]
  rect 2x2 hole 1.4: 1(-1.75,7)
  round 2 hole 1.4: 2(-1.75,3.5) 3(-1.75,0) 4(-1.75,-3.5) 5(-1.75,-7) 6(1.75,-7) 7(1.75,-3.5) 8(1.75,0) 9(1.75,3.5) 10(1.75,7)
  silkscreen extent -11.02,-9.38 2.92,9.46, body extent -11.02,-9.49 2.38,9.41, height 15.18
B2B-XH-A [mm]
  rect 1.65x1.65 hole 1.1: 1(0,0)
  round 1.65 hole 1.1: 2(2.5,0)
  silkscreen extent -2.54,-2.35 4.86,3.4, body extent -2.48,-2.33 4.92,3.42, height 7
BEL_SI-61001-F [mm]
  rect 1.478x1.478 hole 0.97: 1(-5.715,8.89)
  round 1.478 hole 0.97: 2(-4.445,6.35) 3(-3.175,8.89) 4(-1.905,6.35) 5(-0.635,8.89) 6(0.635,6.35) 7(1.905,8.89) 8(3.175,6.35) 9(4.445,8.89) 10(5.715,6.35)
  round 1.65 hole 1.1: GA(-6.625,-4.06) GK(-4.085,-4.06) YA(4.085,-4.06) YK(6.625,-4.06)
  round 2.475 hole 1.65: S1(-7.745,3.05) S2(7.745,3.05)
  round 3.25 hole 3.25 unplated: ""(-5.715,0) ""(5.715,0)
  silkscreen extent -9.74,-10.79 8.99,10.8, body extent -8.86,-10.92 9.12,10.67, height 14.86
BF050-06-A-B-0400-0300-N-G [mm]
  rect 1.3x1.3 hole 0.8: 1(-2,-1)
  round 1.3 hole 0.8: 2(-2,1) 3(0,-1) 4(0,1) 5(2,-1) 6(2,1)
  silkscreen extent -3.2,-2.07 3.2,2.07, body extent -3,-2 3,2, height 6.05
BGA88C100P8X11_900X1125X352 [mm]
  round 0.5 smd: A1(-3.5,5) A2(-2.5,5) A3(-1.5,5) A4(-0.5,5) A5(0.5,5) A6(1.5,5) A7(2.5,5) A8(3.5,5) B1(-3.5,4) B2(-2.5,4) B3(-1.5,4) B4(-0.5,4) B5(0.5,4) B6(1.5,4) B7(2.5,4) B8(3.5,4) C1(-3.5,3) C2(-2.5,3) C3(-1.5,3) C4(-0.5,3) C5(0.5,3) C6(1.5,3) C7(2.5,3) C8(3.5,3) D1(-3.5,2) D2(-2.5,2) D3(-1.5,2) D4(-0.5,2) D5(0.5,2) D6(1.5,2) D7(2.5,2) D8(3.5,2) E1(-3.5,1) E2(-2.5,1) E3(-1.5,1) E4(-0.5,1) E5(0.5,1) E6(1.5,1) E7(2.5,1) E8(3.5,1) F1(-3.5,0) F2(-2.5,0) F3(-1.5,0) F4(-0.5,0) F5(0.5,0) F6(1.5,0) F7(2.5,0) F8(3.5,0) G1(-3.5,-1) G2(-2.5,-1) G3(-1.5,-1) G4(-0.5,-1) G5(0.5,-1) G6(1.5,-1) G7(2.5,-1) G8(3.5,-1) H1(-3.5,-2) H2(-2.5,-2) H3(-1.5,-2) H4(-0.5,-2) H5(0.5,-2) H6(1.5,-2) H7(2.5,-2) H8(3.5,-2) J1(-3.5,-3) J2(-2.5,-3) J3(-1.5,-3) J4(-0.5,-3) J5(0.5,-3) J6(1.5,-3) J7(2.5,-3) J8(3.5,-3) K1(-3.5,-4) K2(-2.5,-4) K3(-1.5,-4) K4(-0.5,-4) K5(0.5,-4) K6(1.5,-4) K7(2.5,-4) K8(3.5,-4) L1(-3.5,-5) L2(-2.5,-5) L3(-1.5,-5) L4(-0.5,-5) L5(0.5,-5) L6(1.5,-5) L7(2.5,-5) L8(3.5,-5)
  silkscreen extent -4.6,-5.63 4.5,5.72, body extent -4.5,-5.63 4.5,5.63, height 3.52
C0603 [mil]
  rect 36x36 smd: 1(-30,0) 2(30,0)
  silkscreen extent -64,-25 63,25, body extent -32,-16 31,16, height 12
C1206 [mm] "Chip Capacitor, Body 3.2x1.6mm, IPC High Density"
  rect 1.1x1.7 smd: 1(-1.35,0) 2(1.35,0)
  silkscreen extent -0.4,-0.75 0.4,0.75, body extent -1.7,-0.9 1.7,0.9, height 1.3
"CAP (0603)" [mm]
  rect 0.65x0.9 smd: 1(-0.725,0) 2(0.725,0)
  silkscreen extent -1.25,-0.65 1.25,0.65, body extent -0.82,-0.43 0.82,0.43, height 0.4
"CAP (0805)" [mm]
  rect 0.9x1.35 smd: 1(-0.95,0) 2(0.95,0)
  silkscreen extent -1.57,-0.87 1.58,0.88, body extent -1.02,-0.65 1.03,0.65, height 0.5
CAPC1005X22N [mm]
  rect 0.54x0.6 smd: 1(-0.432,0) 2(0.432,0)
CAPC1005X55N [mm]
  rrect53% 0.54x0.6 smd: 1(-0.43,0) 2(0.43,0)
  silkscreen extent -0.5,-0.48 0.5,0.48
CAPC3225X270N [mm]
  rect 1.26x2.72 smd: 1(-1.33,0) 2(1.33,0)
  silkscreen extent 0,-1.15 0,1.15, body extent -1.6,-1.25 1.6,1.25, height 2.7
CAPC3225X280N [mm]
  rect 1.02x2.72 smd: 1(-1.4,0) 2(1.4,0)
  silkscreen extent 0,-1.15 0,1.15, body extent -1.6,-1.25 1.6,1.25, height 2.8
DFN200X300X60-9N [mm]
  rect 0.85x0.3 smd: 1(-1.45,0.75) 2(-1.45,0.25) 3(-1.45,-0.25) 4(-1.45,-0.75) 5(1.45,-0.75) 6(1.45,-0.25) 7(1.45,0.25) 8(1.45,0.75)
  rect 1.4x1.6 smd paste-2: 9(0,0)
  silkscreen extent -2.45,-1 1.5,1, body extent -1,-1.5 1,1.5, height 0.58
"DIOM5436X244N (SMB)" [mm]
  rect 2.2x2.15 smd: 1(-2.2,0) 2(2.2,0)
  silkscreen extent -2.7,-1.81 2.7,1.81, body extent -2.7,-1.81 2.7,1.81, height 2.44
DIONM5444X261N [mm]
  rect 2.2x2.15 smd: 1(-2.2,0) 2(2.2,0)
  silkscreen extent -2.7,-2.2 2.7,2.2, body extent -2.7,-2.2 2.7,2.2, height 2.61
FB0603 [mm]
  rect 0.6x0.85 smd: 1(-0.725,0) 2(0.725,0)
  silkscreen extent -1.22,-0.63 1.22,0.63, body extent -0.81,-0.4 0.79,0.4, height 0.8
FB0805 [mm]
  rect 0.85x1.3 smd: 1(-0.95,0) 2(0.95,0)
  silkscreen extent -1.57,-0.82 1.58,0.83, body extent -1,-0.63 1,0.62, height 0.85
"FUSE (3413.0120.22)" [mm]
  rect 0.96x1.71 smd: 1(-1.525,0) 2(1.525,0)
  silkscreen extent 0,-0.7 0,0.7, body extent -1.6,-0.8 1.6,0.8, height 0.6
GJM15 [mm]
  rect 0.6x0.62 smd: 1(-0.46,0) 2(0.46,0)
  body extent -0.5,-0.25 0.5,0.25, height 0.55